# KiCad board PANEL_DRY_ELECTRODES.kicad_pcb (continued)
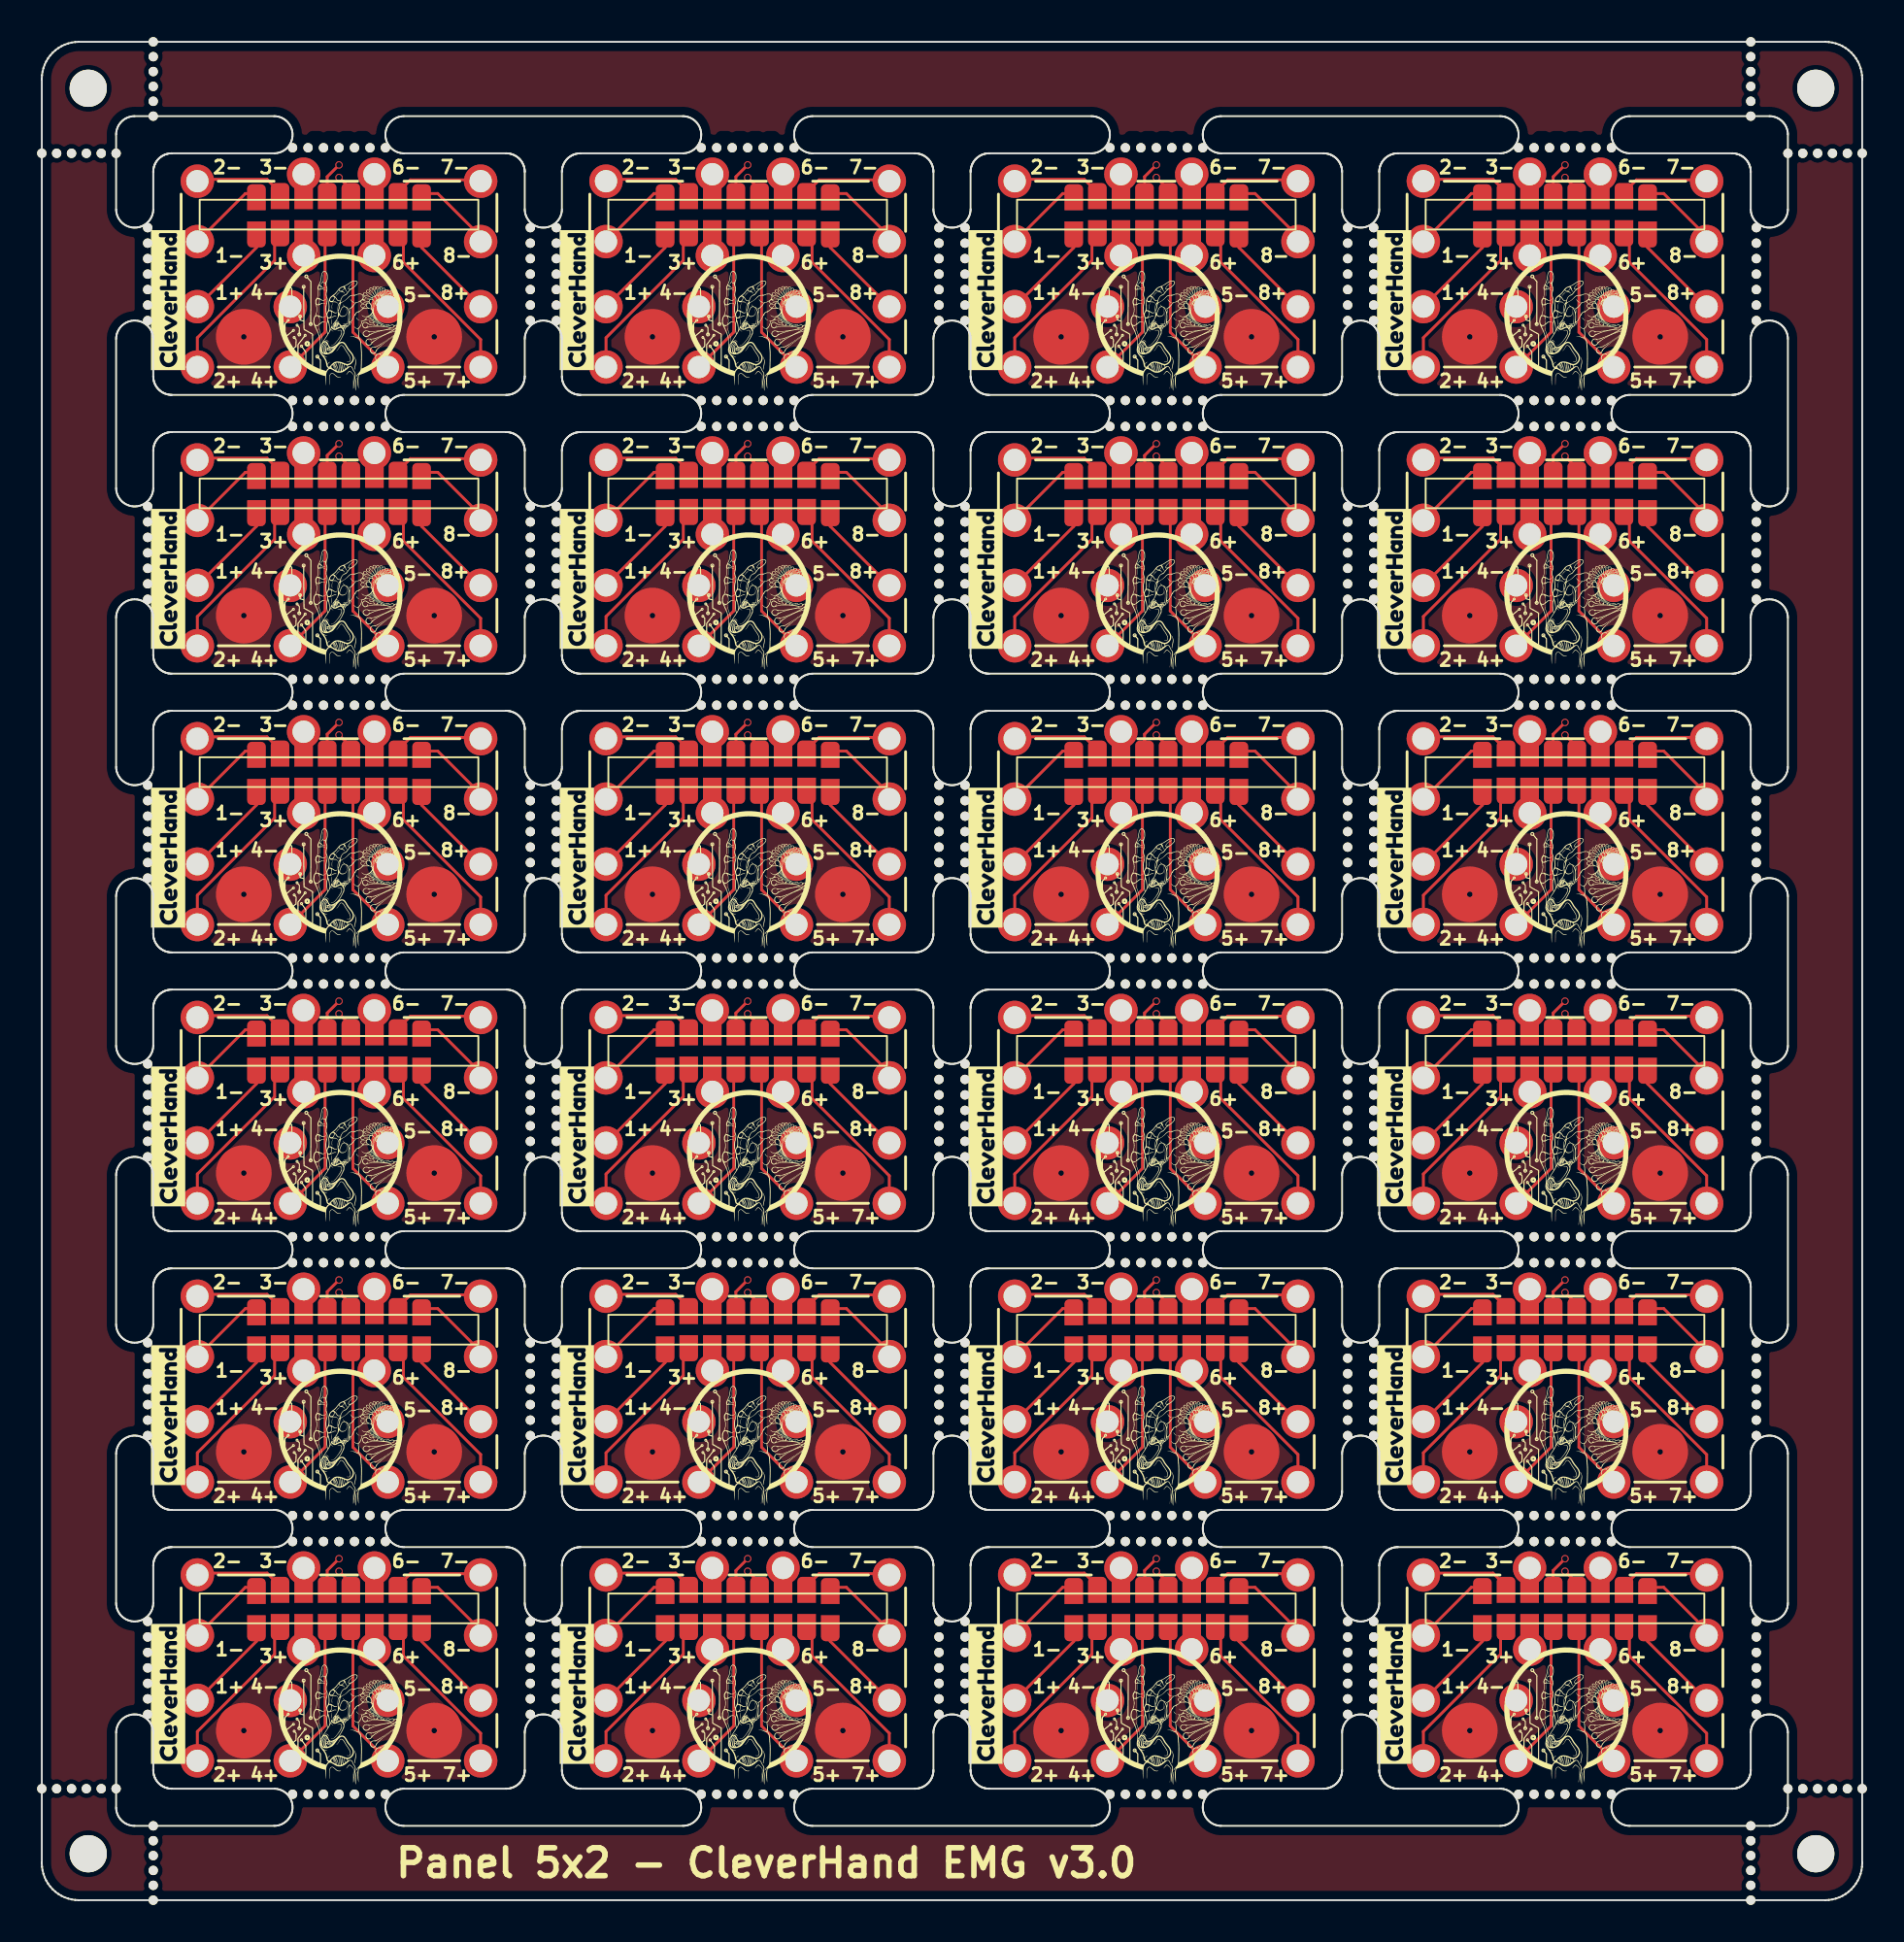
[diagram p0: board, top side]
## Placement (name value [footprint] x y rotation side) (continued)
KiKit_MB_67_3  -  [NPTH]  15.17 34.3 0 top
KiKit_MB_67_4  -  [NPTH]  16 34.3 0 top
KiKit_MB_67_5  -  [NPTH]  16.83 34.3 0 top
KiKit_MB_67_6  -  [NPTH]  17.67 34.3 0 top
KiKit_MB_67_7  -  [NPTH]  18.5 34.3 0 top
KiKit_MB_68_1  -  [NPTH]  18.5 20.7 0 top
KiKit_MB_68_2  -  [NPTH]  17.67 20.7 0 top
KiKit_MB_68_3  -  [NPTH]  16.83 20.7 0 top
KiKit_MB_68_4  -  [NPTH]  16 20.7 0 top
KiKit_MB_68_5  -  [NPTH]  15.17 20.7 0 top
KiKit_MB_68_6  -  [NPTH]  14.33 20.7 0 top
KiKit_MB_68_7  -  [NPTH]  13.5 20.7 0 top
KiKit_MB_69_1  -  [NPTH]  27.7 25 0 top
KiKit_MB_69_2  -  [NPTH]  27.7 25.83 0 top
KiKit_MB_69_3  -  [NPTH]  27.7 26.67 0 top
KiKit_MB_69_4  -  [NPTH]  27.7 27.5 0 top
KiKit_MB_69_5  -  [NPTH]  27.7 28.33 0 top
KiKit_MB_69_6  -  [NPTH]  27.7 29.17 0 top
KiKit_MB_69_7  -  [NPTH]  27.7 30 0 top
KiKit_MB_70_1  -  [NPTH]  48.3 30 0 top
KiKit_MB_70_2  -  [NPTH]  48.3 29.17 0 top
KiKit_MB_70_3  -  [NPTH]  48.3 28.33 0 top
KiKit_MB_70_4  -  [NPTH]  48.3 27.5 0 top
KiKit_MB_70_5  -  [NPTH]  48.3 26.67 0 top
KiKit_MB_70_6  -  [NPTH]  48.3 25.83 0 top
KiKit_MB_70_7  -  [NPTH]  48.3 25 0 top
KiKit_MB_71_1  -  [NPTH]  35.5 34.3 0 top
KiKit_MB_71_2  -  [NPTH]  36.33 34.3 0 top
KiKit_MB_71_3  -  [NPTH]  37.17 34.3 0 top
KiKit_MB_71_4  -  [NPTH]  38 34.3 0 top
KiKit_MB_71_5  -  [NPTH]  38.83 34.3 0 top
KiKit_MB_71_6  -  [NPTH]  39.67 34.3 0 top
KiKit_MB_71_7  -  [NPTH]  40.5 34.3 0 top
KiKit_MB_72_1  -  [NPTH]  40.5 20.7 0 top
KiKit_MB_72_2  -  [NPTH]  39.67 20.7 0 top
KiKit_MB_72_3  -  [NPTH]  38.83 20.7 0 top
KiKit_MB_72_4  -  [NPTH]  38 20.7 0 top
KiKit_MB_72_5  -  [NPTH]  37.17 20.7 0 top
KiKit_MB_72_6  -  [NPTH]  36.33 20.7 0 top
KiKit_MB_72_7  -  [NPTH]  35.5 20.7 0 top
KiKit_MB_73_1  -  [NPTH]  49.7 25 0 top
KiKit_MB_73_2  -  [NPTH]  49.7 25.83 0 top
KiKit_MB_73_3  -  [NPTH]  49.7 26.67 0 top
KiKit_MB_73_4  -  [NPTH]  49.7 27.5 0 top
KiKit_MB_73_5  -  [NPTH]  49.7 28.33 0 top
KiKit_MB_73_6  -  [NPTH]  49.7 29.17 0 top
KiKit_MB_73_7  -  [NPTH]  49.7 30 0 top
KiKit_MB_74_1  -  [NPTH]  70.3 30 0 top
KiKit_MB_74_2  -  [NPTH]  70.3 29.17 0 top
KiKit_MB_74_3  -  [NPTH]  70.3 28.33 0 top
KiKit_MB_74_4  -  [NPTH]  70.3 27.5 0 top
KiKit_MB_74_5  -  [NPTH]  70.3 26.67 0 top
KiKit_MB_74_6  -  [NPTH]  70.3 25.83 0 top
KiKit_MB_74_7  -  [NPTH]  70.3 25 0 top
KiKit_MB_75_1  -  [NPTH]  57.5 34.3 0 top
KiKit_MB_75_2  -  [NPTH]  58.33 34.3 0 top
KiKit_MB_75_3  -  [NPTH]  59.17 34.3 0 top
KiKit_MB_75_4  -  [NPTH]  60 34.3 0 top
KiKit_MB_75_5  -  [NPTH]  60.83 34.3 0 top
KiKit_MB_75_6  -  [NPTH]  61.67 34.3 0 top
KiKit_MB_75_7  -  [NPTH]  62.5 34.3 0 top
KiKit_MB_76_1  -  [NPTH]  62.5 20.7 0 top
KiKit_MB_76_2  -  [NPTH]  61.67 20.7 0 top
KiKit_MB_76_3  -  [NPTH]  60.83 20.7 0 top
KiKit_MB_76_4  -  [NPTH]  60 20.7 0 top
KiKit_MB_76_5  -  [NPTH]  59.17 20.7 0 top
KiKit_MB_76_6  -  [NPTH]  58.33 20.7 0 top
KiKit_MB_76_7  -  [NPTH]  57.5 20.7 0 top
KiKit_MB_77_1  -  [NPTH]  71.7 25 0 top
KiKit_MB_77_2  -  [NPTH]  71.7 25.83 0 top
KiKit_MB_77_3  -  [NPTH]  71.7 26.67 0 top
KiKit_MB_77_4  -  [NPTH]  71.7 27.5 0 top
KiKit_MB_77_5  -  [NPTH]  71.7 28.33 0 top
KiKit_MB_77_6  -  [NPTH]  71.7 29.17 0 top
KiKit_MB_77_7  -  [NPTH]  71.7 30 0 top
KiKit_MB_78_1  -  [NPTH]  92.3 30 0 top
KiKit_MB_78_2  -  [NPTH]  92.3 29.17 0 top
KiKit_MB_78_3  -  [NPTH]  92.3 28.33 0 top
KiKit_MB_78_4  -  [NPTH]  92.3 27.5 0 top
KiKit_MB_78_5  -  [NPTH]  92.3 26.67 0 top
KiKit_MB_78_6  -  [NPTH]  92.3 25.83 0 top
KiKit_MB_78_7  -  [NPTH]  92.3 25 0 top
KiKit_MB_79_1  -  [NPTH]  79.5 34.3 0 top
KiKit_MB_79_2  -  [NPTH]  80.33 34.3 0 top
KiKit_MB_79_3  -  [NPTH]  81.17 34.3 0 top
KiKit_MB_79_4  -  [NPTH]  82 34.3 0 top
KiKit_MB_79_5  -  [NPTH]  82.83 34.3 0 top
KiKit_MB_79_6  -  [NPTH]  83.67 34.3 0 top
KiKit_MB_79_7  -  [NPTH]  84.5 34.3 0 top
KiKit_MB_80_1  -  [NPTH]  84.5 20.7 0 top
KiKit_MB_80_2  -  [NPTH]  83.67 20.7 0 top
KiKit_MB_80_3  -  [NPTH]  82.83 20.7 0 top
KiKit_MB_80_4  -  [NPTH]  82 20.7 0 top
KiKit_MB_80_5  -  [NPTH]  81.17 20.7 0 top
KiKit_MB_80_6  -  [NPTH]  80.33 20.7 0 top
KiKit_MB_80_7  -  [NPTH]  79.5 20.7 0 top
KiKit_MB_81_1  -  [NPTH]  5.7 10 0 top
KiKit_MB_81_2  -  [NPTH]  5.7 10.83 0 top
KiKit_MB_81_3  -  [NPTH]  5.7 11.67 0 top
KiKit_MB_81_4  -  [NPTH]  5.7 12.5 0 top
KiKit_MB_81_5  -  [NPTH]  5.7 13.33 0 top
KiKit_MB_81_6  -  [NPTH]  5.7 14.17 0 top
KiKit_MB_81_7  -  [NPTH]  5.7 15 0 top
KiKit_MB_82_1  -  [NPTH]  26.3 15 0 top
KiKit_MB_82_2  -  [NPTH]  26.3 14.17 0 top
KiKit_MB_82_3  -  [NPTH]  26.3 13.33 0 top
KiKit_MB_82_4  -  [NPTH]  26.3 12.5 0 top
KiKit_MB_82_5  -  [NPTH]  26.3 11.67 0 top
KiKit_MB_82_6  -  [NPTH]  26.3 10.83 0 top
KiKit_MB_82_7  -  [NPTH]  26.3 10 0 top
KiKit_MB_83_1  -  [NPTH]  13.5 19.3 0 top
KiKit_MB_83_2  -  [NPTH]  14.33 19.3 0 top
KiKit_MB_83_3  -  [NPTH]  15.17 19.3 0 top
KiKit_MB_83_4  -  [NPTH]  16 19.3 0 top
KiKit_MB_83_5  -  [NPTH]  16.83 19.3 0 top
KiKit_MB_83_6  -  [NPTH]  17.67 19.3 0 top
KiKit_MB_83_7  -  [NPTH]  18.5 19.3 0 top
KiKit_MB_84_1  -  [NPTH]  18.5 5.7 0 top
KiKit_MB_84_2  -  [NPTH]  17.67 5.7 0 top
KiKit_MB_84_3  -  [NPTH]  16.83 5.7 0 top
KiKit_MB_84_4  -  [NPTH]  16 5.7 0 top
KiKit_MB_84_5  -  [NPTH]  15.17 5.7 0 top
KiKit_MB_84_6  -  [NPTH]  14.33 5.7 0 top
KiKit_MB_84_7  -  [NPTH]  13.5 5.7 0 top
KiKit_MB_85_1  -  [NPTH]  27.7 10 0 top
KiKit_MB_85_2  -  [NPTH]  27.7 10.83 0 top
KiKit_MB_85_3  -  [NPTH]  27.7 11.67 0 top
KiKit_MB_85_4  -  [NPTH]  27.7 12.5 0 top
KiKit_MB_85_5  -  [NPTH]  27.7 13.33 0 top
KiKit_MB_85_6  -  [NPTH]  27.7 14.17 0 top
KiKit_MB_85_7  -  [NPTH]  27.7 15 0 top
KiKit_MB_86_1  -  [NPTH]  48.3 15 0 top
KiKit_MB_86_2  -  [NPTH]  48.3 14.17 0 top
KiKit_MB_86_3  -  [NPTH]  48.3 13.33 0 top
KiKit_MB_86_4  -  [NPTH]  48.3 12.5 0 top
KiKit_MB_86_5  -  [NPTH]  48.3 11.67 0 top
KiKit_MB_86_6  -  [NPTH]  48.3 10.83 0 top
KiKit_MB_86_7  -  [NPTH]  48.3 10 0 top
KiKit_MB_87_1  -  [NPTH]  35.5 19.3 0 top
KiKit_MB_87_2  -  [NPTH]  36.33 19.3 0 top
KiKit_MB_87_3  -  [NPTH]  37.17 19.3 0 top
KiKit_MB_87_4  -  [NPTH]  38 19.3 0 top
KiKit_MB_87_5  -  [NPTH]  38.83 19.3 0 top
KiKit_MB_87_6  -  [NPTH]  39.67 19.3 0 top
KiKit_MB_87_7  -  [NPTH]  40.5 19.3 0 top
KiKit_MB_88_1  -  [NPTH]  40.5 5.7 0 top
KiKit_MB_88_2  -  [NPTH]  39.67 5.7 0 top
KiKit_MB_88_3  -  [NPTH]  38.83 5.7 0 top
KiKit_MB_88_4  -  [NPTH]  38 5.7 0 top
KiKit_MB_88_5  -  [NPTH]  37.17 5.7 0 top
KiKit_MB_88_6  -  [NPTH]  36.33 5.7 0 top
KiKit_MB_88_7  -  [NPTH]  35.5 5.7 0 top
KiKit_MB_89_1  -  [NPTH]  49.7 10 0 top
KiKit_MB_89_2  -  [NPTH]  49.7 10.83 0 top
KiKit_MB_89_3  -  [NPTH]  49.7 11.67 0 top
KiKit_MB_89_4  -  [NPTH]  49.7 12.5 0 top
KiKit_MB_89_5  -  [NPTH]  49.7 13.33 0 top
KiKit_MB_89_6  -  [NPTH]  49.7 14.17 0 top
KiKit_MB_89_7  -  [NPTH]  49.7 15 0 top
KiKit_MB_90_1  -  [NPTH]  70.3 15 0 top
KiKit_MB_90_2  -  [NPTH]  70.3 14.17 0 top
KiKit_MB_90_3  -  [NPTH]  70.3 13.33 0 top
KiKit_MB_90_4  -  [NPTH]  70.3 12.5 0 top
KiKit_MB_90_5  -  [NPTH]  70.3 11.67 0 top
KiKit_MB_90_6  -  [NPTH]  70.3 10.83 0 top
KiKit_MB_90_7  -  [NPTH]  70.3 10 0 top
KiKit_MB_91_1  -  [NPTH]  57.5 19.3 0 top
KiKit_MB_91_2  -  [NPTH]  58.33 19.3 0 top
KiKit_MB_91_3  -  [NPTH]  59.17 19.3 0 top
KiKit_MB_91_4  -  [NPTH]  60 19.3 0 top
KiKit_MB_91_5  -  [NPTH]  60.83 19.3 0 top
KiKit_MB_91_6  -  [NPTH]  61.67 19.3 0 top
KiKit_MB_91_7  -  [NPTH]  62.5 19.3 0 top
KiKit_MB_92_1  -  [NPTH]  62.5 5.7 0 top
KiKit_MB_92_2  -  [NPTH]  61.67 5.7 0 top
KiKit_MB_92_3  -  [NPTH]  60.83 5.7 0 top
KiKit_MB_92_4  -  [NPTH]  60 5.7 0 top
KiKit_MB_92_5  -  [NPTH]  59.17 5.7 0 top
KiKit_MB_92_6  -  [NPTH]  58.33 5.7 0 top
KiKit_MB_92_7  -  [NPTH]  57.5 5.7 0 top
KiKit_MB_93_1  -  [NPTH]  71.7 10 0 top
KiKit_MB_93_2  -  [NPTH]  71.7 10.83 0 top
KiKit_MB_93_3  -  [NPTH]  71.7 11.67 0 top
KiKit_MB_93_4  -  [NPTH]  71.7 12.5 0 top
KiKit_MB_93_5  -  [NPTH]  71.7 13.33 0 top
KiKit_MB_93_6  -  [NPTH]  71.7 14.17 0 top
KiKit_MB_93_7  -  [NPTH]  71.7 15 0 top
KiKit_MB_94_1  -  [NPTH]  92.3 15 0 top
KiKit_MB_94_2  -  [NPTH]  92.3 14.17 0 top
KiKit_MB_94_3  -  [NPTH]  92.3 13.33 0 top
KiKit_MB_94_4  -  [NPTH]  92.3 12.5 0 top
KiKit_MB_94_5  -  [NPTH]  92.3 11.67 0 top
KiKit_MB_94_6  -  [NPTH]  92.3 10.83 0 top
KiKit_MB_94_7  -  [NPTH]  92.3 10 0 top
KiKit_MB_95_1  -  [NPTH]  79.5 19.3 0 top
KiKit_MB_95_2  -  [NPTH]  80.33 19.3 0 top
KiKit_MB_95_3  -  [NPTH]  81.17 19.3 0 top
KiKit_MB_95_4  -  [NPTH]  82 19.3 0 top
KiKit_MB_95_5  -  [NPTH]  82.83 19.3 0 top
KiKit_MB_95_6  -  [NPTH]  83.67 19.3 0 top
KiKit_MB_95_7  -  [NPTH]  84.5 19.3 0 top
KiKit_MB_96_1  -  [NPTH]  84.5 5.7 0 top
KiKit_MB_96_2  -  [NPTH]  83.67 5.7 0 top
KiKit_MB_96_3  -  [NPTH]  82.83 5.7 0 top
KiKit_MB_96_4  -  [NPTH]  82 5.7 0 top
KiKit_MB_96_5  -  [NPTH]  81.17 5.7 0 top
KiKit_MB_96_6  -  [NPTH]  80.33 5.7 0 top
KiKit_MB_96_7  -  [NPTH]  79.5 5.7 0 top
KiKit_MB_97_1  -  [NPTH]  6 100 0 top
KiKit_MB_97_2  -  [NPTH]  6 99.2 0 top
KiKit_MB_97_3  -  [NPTH]  6 98.4 0 top
KiKit_MB_97_4  -  [NPTH]  6 97.6 0 top
KiKit_MB_97_5  -  [NPTH]  6 96.8 0 top
KiKit_MB_97_6  -  [NPTH]  6 96 0 top
KiKit_MB_98_1  -  [NPTH]  92 100 0 top
KiKit_MB_98_2  -  [NPTH]  92 99.2 0 top
KiKit_MB_98_3  -  [NPTH]  92 98.4 0 top
KiKit_MB_98_4  -  [NPTH]  92 97.6 0 top
KiKit_MB_98_5  -  [NPTH]  92 96.8 0 top
KiKit_MB_98_6  -  [NPTH]  92 96 0 top
KiKit_MB_99_1  -  [NPTH]  6 4 0 top
KiKit_MB_99_2  -  [NPTH]  6 3.2 0 top
KiKit_MB_99_3  -  [NPTH]  6 2.4 0 top
KiKit_MB_99_4  -  [NPTH]  6 1.6 0 top
KiKit_MB_99_5  -  [NPTH]  6 0.8 0 top
KiKit_MB_99_6  -  [NPTH]  6 0 0 top
KiKit_MB_100_1  -  [NPTH]  92 4 0 top
KiKit_MB_100_2  -  [NPTH]  92 3.2 0 top
KiKit_MB_100_3  -  [NPTH]  92 2.4 0 top
KiKit_MB_100_4  -  [NPTH]  92 1.6 0 top
KiKit_MB_100_5  -  [NPTH]  92 0.8 0 top
KiKit_MB_100_6  -  [NPTH]  92 0 0 top
KiKit_MB_101_1  -  [NPTH]  0 94 0 top
KiKit_MB_101_2  -  [NPTH]  0.8 94 0 top
KiKit_MB_101_3  -  [NPTH]  1.6 94 0 top
KiKit_MB_101_4  -  [NPTH]  2.4 94 0 top
KiKit_MB_101_5  -  [NPTH]  3.2 94 0 top
KiKit_MB_101_6  -  [NPTH]  4 94 0 top
KiKit_MB_102_1  -  [NPTH]  0 6 0 top
KiKit_MB_102_2  -  [NPTH]  0.8 6 0 top
KiKit_MB_102_3  -  [NPTH]  1.6 6 0 top
KiKit_MB_102_4  -  [NPTH]  2.4 6 0 top
KiKit_MB_102_5  -  [NPTH]  3.2 6 0 top
KiKit_MB_102_6  -  [NPTH]  4 6 0 top
KiKit_MB_103_1  -  [NPTH]  94 94 0 top
KiKit_MB_103_2  -  [NPTH]  94.8 94 0 top
KiKit_MB_103_3  -  [NPTH]  95.6 94 0 top
KiKit_MB_103_4  -  [NPTH]  96.4 94 0 top
KiKit_MB_103_5  -  [NPTH]  97.2 94 0 top
KiKit_MB_103_6  -  [NPTH]  98 94 0 top
KiKit_MB_104_1  -  [NPTH]  94 6 0 top
KiKit_MB_104_2  -  [NPTH]  94.8 6 0 top
KiKit_MB_104_3  -  [NPTH]  95.6 6 0 top
KiKit_MB_104_4  -  [NPTH]  96.4 6 0 top
KiKit_MB_104_5  -  [NPTH]  97.2 6 0 top
KiKit_MB_104_6  -  [NPTH]  98 6 0 top
KiKit_TO_1  -  [NPTH#2]  2.5 97.5 0 top
KiKit_TO_2  -  [NPTH#2]  95.5 97.5 0 top
KiKit_TO_3  -  [NPTH#2]  2.5 2.5 0 top
KiKit_TO_4  -  [NPTH#2]  95.5 2.5 0 top
REF**  -  [logo_aightech]  82.1 40.1 0 top
REF**#2  -  [logo_aightech]  16.1 70.1 0 top
REF**#3  -  [logo_aightech]  60.1 10.1 0 top
REF**#4  -  [logo_aightech]  82.1 55.1 0 top
REF**#5  -  [logo_aightech]  60.1 55.1 0 top
REF**#6  -  [logo_aightech]  16.1 25.1 0 top
REF**#7  -  [logo_aightech]  60.1 40.1 0 top
REF**#8  -  [logo_aightech]  38.1 70.1 0 top
REF**#9  -  [logo_aightech]  82.1 85.1 0 top
REF**#10  -  [logo_aightech]  60.1 85.1 0 top
REF**#11  -  [logo_aightech]  60.1 70.1 0 top
REF**#12  -  [logo_aightech]  82.1 25.1 0 top
REF**#13  -  [logo_aightech]  38.1 85.1 0 top
REF**#14  -  [logo_aightech]  38.1 55.1 0 top
REF**#15  -  [logo_aightech]  82.1 70.1 0 top
REF**#16  -  [logo_aightech]  60.1 25.1 0 top
REF**#17  -  [logo_aightech]  38.1 40.1 0 top
REF**#18  -  [logo_aightech]  82.1 10.1 0 top
REF**#19  -  [logo_aightech]  16.1 10.1 0 top
REF**#20  -  [logo_aightech]  16.1 85.1 0 top
REF**#21  -  [logo_aightech]  38.1 10.1 0 top
REF**#22  -  [logo_aightech]  16.1 40.1 0 top
REF**#23  -  [logo_aightech]  16.1 55.1 0 top
REF**#24  -  [logo_aightech]  38.1 25.1 0 top

## Library data of the parts
J17 J17#2-J17#24 J18 J18#2-J18#24 J19 J19#2-J19#24 J20 J20#2-J20#24 J21 J21#2-J21#24 J22 J22#2-J22#24 J23 J23#2-J23#24 J24 J24#2-J24#24 J25 J25#2-J25#24 J26 J26#2-J26#24 J27 J27#2-J27#24 J28 J28#2-J28#24 J29 J29#2-J29#24 J30 J30#2-J30#24 J31 J31#2-J31#24 J32 J32#2-J32#24 = -: Description: Generic connector, single row, 01x01, script generated

## Footprints (pads in the part's own frame, mm; a bottom-side part is the same pattern mirrored in y, then rotated)
insert_1.2mm
  round 3 smd: 1(0,0)
NPTH
  round 0.5 hole 0.5 unplated: (0,0)
NPTH#2
  round 2 hole 2 unplated: (0,0)
Pin_D1.2mm_pogo
  round 1.8 hole 1.2: 1(0,0)
SolderWirePad_1x01_SMD_1x2mm
  custom 1x1.4 smd: 1(0,0.5)

## Nets
Board_0-/in1+: J9#21.1 J25#10.1
Board_0-/in1-: J1#22.1 J17#6.1
Board_0-/in2+: J10.1 J26.1
Board_0-/in2-: J2#11.1 J18.1
Board_0-/in3+: J11#11.1 J27#10.1
Board_0-/in3-: J3#9.1 J19#14.1
Board_0-/in4+: J12#15.1 J28.1
Board_0-/in4-: J4#6.1 J20#8.1
Board_0-/in5+: J13#23.1 J29#9.1
Board_0-/in5-: J5#23.1 J21#20.1
Board_0-/in6+: J14#8.1 J30#23.1
Board_0-/in6-: J6#11.1 J22#8.1
Board_0-/in7+: J15#10.1 J31#2.1
Board_0-/in7-: J7#3.1 J23#11.1
Board_0-/in8+: J16#2.1 J32#18.1
Board_0-/in8-: J8#19.1 J24#5.1
Board_0-GND: I3#15.1 I4#2.1
Board_1-/in1+: J9#24.1 J25#3.1
Board_1-/in1-: J1#13.1 J17#24.1
Board_1-/in2+: J10#21.1 J26#16.1
Board_1-/in2-: J2#8.1 J18#24.1
Board_1-/in3+: J11#21.1 J27#3.1
Board_1-/in3-: J3#23.1 J19#17.1
Board_1-/in4+: J12#10.1 J28#2.1
Board_1-/in4-: J4#12.1 J20#20.1
Board_1-/in5+: J13#17.1 J29#15.1
Board_1-/in5-: J5#16.1 J21#21.1
Board_1-/in6+: J14#10.1 J30#5.1
Board_1-/in6-: J6.1 J22#5.1
Board_1-/in7+: J15#17.1 J31#18.1
Board_1-/in7-: J7#21.1 J23#21.1
Board_1-/in8+: J16#15.1 J32#4.1
Board_1-/in8-: J8#5.1 J24#4.1
Board_1-GND: I3#3.1 I4#13.1
Board_2-/in1+: J9#13.1 J25#4.1
Board_2-/in1-: J1#10.1 J17#12.1
Board_2-/in2+: J10#18.1 J26#20.1
Board_2-/in2-: J2#24.1 J18#8.1
Board_2-/in3+: J11#16.1 J27#6.1
Board_2-/in3-: J3#3.1 J19#3.1
Board_2-/in4+: J12#19.1 J28#13.1
Board_2-/in4-: J4#2.1 J20#23.1
Board_2-/in5+: J13#12.1 J29#22.1
Board_2-/in5-: J5#19.1 J21#8.1
Board_2-/in6+: J14#17.1 J30#3.1
Board_2-/in6-: J6#4.1 J22.1
Board_2-/in7+: J15#7.1 J31#8.1
Board_2-/in7-: J7#22.1 J23#17.1
Board_2-/in8+: J16#3.1 J32#17.1
Board_2-/in8-: J8#6.1 J24#14.1
Board_2-GND: I3#16.1 I4#10.1
Board_3-/in1+: J9.1 J25#21.1
Board_3-/in1-: J1#6.1 J17#5.1
Board_3-/in2+: J10#2.1 J26#3.1
Board_3-/in2-: J2#23.1 J18#7.1
Board_3-/in3+: J11#6.1 J27#5.1
Board_3-/in3-: J3#21.1 J19#6.1
Board_3-/in4+: J12#5.1 J28#9.1
Board_3-/in4-: J4#24.1 J20#13.1
Board_3-/in5+: J13#5.1 J29#8.1
Board_3-/in5-: J5#14.1 J21#18.1
Board_3-/in6+: J14.1 J30#20.1
Board_3-/in6-: J6#13.1 J22#15.1
Board_3-/in7+: J15#9.1 J31#7.1
Board_3-/in7-: J7#12.1 J23#5.1
Board_3-/in8+: J16#11.1 J32#13.1
Board_3-/in8-: J8#24.1 J24#6.1
Board_3-GND: I3.1 I4#17.1
Board_4-/in1+: J9#7.1 J25#7.1
Board_4-/in1-: J1#18.1 J17#15.1
Board_4-/in2+: J10#8.1 J26#12.1
Board_4-/in2-: J2#20.1 J18#13.1
Board_4-/in3+: J11#24.1 J27#18.1
Board_4-/in3-: J3#19.1 J19#19.1
Board_4-/in4+: J12#12.1 J28#3.1
Board_4-/in4-: J4#8.1 J20#2.1
Board_4-/in5+: J13#22.1 J29#19.1
Board_4-/in5-: J5#7.1 J21#2.1
Board_4-/in6+: J14#15.1 J30#16.1
Board_4-/in6-: J6#14.1 J22#2.1
Board_4-/in7+: J15#21.1 J31#24.1
Board_4-/in7-: J7#15.1 J23#20.1
Board_4-/in8+: J16.1 J32.1
Board_4-/in8-: J8#2.1 J24#17.1
Board_4-GND: I3#6.1 I4#8.1
Board_5-/in1+: J9#11.1 J25#18.1
Board_5-/in1-: J1#9.1 J17.1
Board_5-/in2+: J10#23.1 J26#5.1
Board_5-/in2-: J2#13.1 J18#11.1
Board_5-/in3+: J11#22.1 J27#17.1
Board_5-/in3-: J3#2.1 J19#13.1
Board_5-/in4+: J12#20.1 J28#4.1
Board_5-/in4-: J4#20.1 J20#18.1
Board_5-/in5+: J13#18.1 J29#21.1
Board_5-/in5-: J5#24.1 J21#15.1
Board_5-/in6+: J14#21.1 J30#18.1
Board_5-/in6-: J6#18.1 J22#9.1
Board_5-/in7+: J15#24.1 J31#13.1
Board_5-/in7-: J7#14.1 J23#22.1
Board_5-/in8+: J16#10.1 J32#8.1
Board_5-/in8-: J8#15.1 J24#15.1
Board_5-GND: I3#8.1 I4#22.1
Board_6-/in1+: J9#23.1 J25#20.1
Board_6-/in1-: J1#24.1 J17#3.1
Board_6-/in2+: J10#4.1 J26#11.1
Board_6-/in2-: J2#2.1 J18#6.1
Board_6-/in3+: J11#23.1 J27#22.1
Board_6-/in3-: J3#22.1 J19#16.1
Board_6-/in4+: J12#8.1 J28#7.1
Board_6-/in4-: J4#10.1 J20.1
Board_6-/in5+: J13#16.1 J29#24.1
Board_6-/in5-: J5#22.1 J21#10.1
Board_6-/in6+: J14#5.1 J30#22.1
Board_6-/in6-: J6#5.1 J22#7.1
Board_6-/in7+: J15#15.1 J31#6.1
Board_6-/in7-: J7#17.1 J23#10.1
Board_6-/in8+: J16#13.1 J32#24.1
Board_6-/in8-: J8#21.1 J24#8.1
Board_6-GND: I3#22.1 I4#19.1
Board_7-/in1+: J9#22.1 J25#13.1
Board_7-/in1-: J1#11.1 J17#2.1
Board_7-/in2+: J10#24.1 J26#6.1
Board_7-/in2-: J2#7.1 J18#16.1
Board_7-/in3+: J11#20.1 J27#4.1
Board_7-/in3-: J3#17.1 J19#23.1
Board_7-/in4+: J12#3.1 J28#5.1
Board_7-/in4-: J4#21.1 J20#9.1
Board_7-/in5+: J13#4.1 J29#11.1
Board_7-/in5-: J5#13.1 J21#11.1
Board_7-/in6+: J14#14.1 J30#15.1
Board_7-/in6-: J6#6.1 J22#24.1
Board_7-/in7+: J15#16.1 J31#20.1
Board_7-/in7-: J7#18.1 J23#19.1
Board_7-/in8+: J16#17.1 J32#21.1
Board_7-/in8-: J8#12.1 J24#13.1
Board_7-GND: I3#18.1 I4#23.1
Board_8-/in1+: J9#19.1 J25#24.1
Board_8-/in1-: J1#21.1 J17#16.1
Board_8-/in2+: J10#14.1 J26#7.1
Board_8-/in2-: J2#21.1 J18#10.1
Board_8-/in3+: J11#18.1 J27#8.1
Board_8-/in3-: J3#11.1 J19#9.1
Board_8-/in4+: J12#22.1 J28#20.1
Board_8-/in4-: J4#23.1 J20#17.1
Board_8-/in5+: J13#24.1 J29#6.1
Board_8-/in5-: J5#18.1 J21#24.1
Board_8-/in6+: J14#24.1 J30#24.1
Board_8-/in6-: J6#12.1 J22#14.1
Board_8-/in7+: J15#5.1 J31#12.1
Board_8-/in7-: J7#5.1 J23#7.1
Board_8-/in8+: J16#12.1 J32#12.1
Board_8-/in8-: J8#13.1 J24.1
Board_8-GND: I3#19.1 I4#3.1
Board_9-/in1+: J9#5.1 J25#11.1
Board_9-/in1-: J1#5.1 J17#7.1
Board_9-/in2+: J10#5.1 J26#21.1
Board_9-/in2-: J2#22.1 J18#21.1
Board_9-/in3+: J11#15.1 J27#16.1
Board_9-/in3-: J3#15.1 J19#24.1
Board_9-/in4+: J12#14.1 J28#16.1
Board_9-/in4-: J4#19.1 J20#3.1
Board_9-/in5+: J13#3.1 J29#12.1
Board_9-/in5-: J5#10.1 J21#22.1
Board_9-/in6+: J14#22.1 J30#4.1
Board_9-/in6-: J6#7.1 J22#6.1
Board_9-/in7+: J15#11.1 J31#23.1
Board_9-/in7-: J7#13.1 J23#16.1
Board_9-/in8+: J16#24.1 J32#3.1
Board_9-/in8-: J8#3.1 J24#18.1
Board_9-GND: I3#7.1 I4#14.1
Board_10-/in1+: J9#15.1 J25#5.1
Board_10-/in1-: J1.1 J17#21.1
Board_10-/in2+: J10#15.1 J26#24.1
Board_10-/in2-: J2#12.1 J18#9.1
Board_10-/in3+: J11#12.1 J27#11.1
Board_10-/in3-: J3#8.1 J19.1
Board_10-/in4+: J12#24.1 J28#17.1
Board_10-/in4-: J4.1 J20#5.1
Board_10-/in5+: J13#11.1 J29#18.1
Board_10-/in5-: J5#8.1 J21#4.1
Board_10-/in6+: J14#13.1 J30#14.1
Board_10-/in6-: J6#23.1 J22#18.1
Board_10-/in7+: J15#23.1 J31#10.1
Board_10-/in7-: J7#8.1 J23#6.1
Board_10-/in8+: J16#21.1 J32#22.1
Board_10-/in8-: J8#20.1 J24#10.1
Board_10-GND: I3#12.1 I4#21.1
Board_11-/in1+: J9#14.1 J25#22.1
Board_11-/in1-: J1#7.1 J17#8.1
Board_11-/in2+: J10#10.1 J26#8.1
Board_11-/in2-: J2#3.1 J18#20.1
Board_11-/in3+: J11#10.1 J27#9.1
Board_11-/in3-: J3#7.1 J19#15.1
Board_11-/in4+: J12#9.1 J28#18.1
Board_11-/in4-: J4#9.1 J20#10.1
Board_11-/in5+: J13#20.1 J29#17.1
Board_11-/in5-: J5#11.1 J21#12.1
Board_11-/in6+: J14#12.1 J30#2.1
Board_11-/in6-: J6#9.1 J22#22.1
Board_11-/in7+: J15#3.1 J31#21.1
Board_11-/in7-: J7.1 J23#13.1
Board_11-/in8+: J16#22.1 J32#14.1
Board_11-/in8-: J8#4.1 J24#16.1
Board_11-GND: I3#17.1 I4#4.1
Board_12-/in1+: J9#2.1 J25#2.1
Board_12-/in1-: J1#12.1 J17#17.1
Board_12-/in2+: J10#11.1 J26#4.1
Board_12-/in2-: J2#17.1 J18#15.1
Board_12-/in3+: J11#17.1 J27#7.1
Board_12-/in3-: J3#5.1 J19#12.1
Board_12-/in4+: J12#2.1 J28#14.1
Board_12-/in4-: J4#7.1 J20#15.1
Board_12-/in5+: J13#8.1 J29#4.1
Board_12-/in5-: J5#3.1 J21#6.1
Board_12-/in6+: J14#23.1 J30#7.1
Board_12-/in6-: J6#16.1 J22#19.1
Board_12-/in7+: J15#6.1 J31#5.1
Board_12-/in7-: J7#19.1 J23.1
Board_12-/in8+: J16#16.1 J32#9.1
Board_12-/in8-: J8#23.1 J24#11.1
Board_12-GND: I3#9.1 I4#6.1
Board_13-/in1+: J9#9.1 J25#15.1
Board_13-/in1-: J1#3.1 J17#14.1
Board_13-/in2+: J10#20.1 J26#2.1
Board_13-/in2-: J2#4.1 J18#19.1
Board_13-/in3+: J11#8.1 J27#2.1
Board_13-/in3-: J3#13.1 J19#21.1
Board_13-/in4+: J12.1 J28#15.1
Board_13-/in4-: J4#22.1 J20#21.1
Board_13-/in5+: J13#9.1 J29#16.1
Board_13-/in5-: J5#9.1 J21#16.1
Board_13-/in6+: J14#11.1 J30#13.1
Board_13-/in6-: J6#10.1 J22#3.1
Board_13-/in7+: J15#14.1 J31#3.1
Board_13-/in7-: J7#2.1 J23#23.1
Board_13-/in8+: J16#18.1 J32#6.1
Board_13-/in8-: J8#14.1 J24#3.1
Board_13-GND: I3#5.1 I4#9.1
Board_14-/in1+: J9#4.1 J25#6.1
Board_14-/in1-: J1#19.1 J17#18.1
Board_14-/in2+: J10#16.1 J26#9.1
Board_14-/in2-: J2#9.1 J18#5.1
Board_14-/in3+: J11#4.1 J27#23.1
Board_14-/in3-: J3#20.1 J19#10.1
Board_14-/in4+: J12#17.1 J28#22.1
Board_14-/in4-: J4#3.1 J20#19.1
Board_14-/in5+: J13#13.1 J29#14.1
Board_14-/in5-: J5#20.1 J21#19.1
Board_14-/in6+: J14#7.1 J30#6.1
Board_14-/in6-: J6#24.1 J22#12.1
Board_14-/in7+: J15#2.1 J31.1
Board_14-/in7-: J7#10.1 J23#14.1
Board_14-/in8+: J16#23.1 J32#10.1
Board_14-/in8-: J8#17.1 J24#12.1
Board_14-GND: I3#2.1 I4#5.1
Board_15-/in1+: J9#16.1 J25#19.1
Board_15-/in1-: J1#8.1 J17#9.1
Board_15-/in2+: J10#12.1 J26#23.1
Board_15-/in2-: J2#16.1 J18#23.1
Board_15-/in3+: J11#13.1 J27#20.1
Board_15-/in3-: J3#16.1 J19#4.1
Board_15-/in4+: J12#23.1 J28#23.1
Board_15-/in4-: J4#13.1 J20#7.1
Board_15-/in5+: J13#7.1 J29#7.1
Board_15-/in5-: J5#12.1 J21#5.1
Board_15-/in6+: J14#4.1 J30#11.1
Board_15-/in6-: J6#2.1 J22#16.1
Board_15-/in7+: J15#22.1 J31#14.1
Board_15-/in7-: J7#23.1 J23#9.1
Board_15-/in8+: J16#9.1 J32#5.1
Board_15-/in8-: J8#8.1 J24#24.1
Board_15-GND: I3#21.1 I4#24.1
Board_16-/in1+: J9#17.1 J25#16.1
Board_16-/in1-: J1#17.1 J17#10.1
Board_16-/in2+: J10#19.1 J26#22.1
Board_16-/in2-: J2#14.1 J18#3.1
Board_16-/in3+: J11#9.1 J27#12.1
Board_16-/in3-: J3#12.1 J19#2.1
Board_16-/in4+: J12#13.1 J28#21.1
Board_16-/in4-: J4#15.1 J20#24.1
Board_16-/in5+: J13#14.1 J29#10.1
Board_16-/in5-: J5#4.1 J21#3.1
Board_16-/in6+: J14#9.1 J30#19.1
Board_16-/in6-: J6#22.1 J22#20.1
Board_16-/in7+: J15#8.1 J31#16.1
Board_16-/in7-: J7#16.1 J23#12.1
Board_16-/in8+: J16#8.1 J32#23.1
Board_16-/in8-: J8#11.1 J24#20.1
Board_16-GND: I3#10.1 I4#18.1
Board_17-/in1+: J9#20.1 J25#9.1
Board_17-/in1-: J1#16.1 J17#13.1
Board_17-/in2+: J10#3.1 J26#17.1
Board_17-/in2-: J2.1 J18#4.1
Board_17-/in3+: J11#5.1 J27#15.1
Board_17-/in3-: J3#18.1 J19#11.1
Board_17-/in4+: J12#6.1 J28#24.1
Board_17-/in4-: J4#18.1 J20#4.1
Board_17-/in5+: J13.1 J29#3.1
Board_17-/in5-: J5#5.1 J21#13.1
Board_17-/in6+: J14#19.1 J30#8.1
Board_17-/in6-: J6#17.1 J22#11.1
Board_17-/in7+: J15.1 J31#22.1
Board_17-/in7-: J7#4.1 J23#8.1
Board_17-/in8+: J16#20.1 J32#19.1
Board_17-/in8-: J8#16.1 J24#22.1
Board_17-GND: I3#4.1 I4#12.1
Board_18-/in1+: J9#3.1 J25.1
Board_18-/in1-: J1#20.1 J17#23.1
Board_18-/in2+: J10#9.1 J26#13.1
Board_18-/in2-: J2#5.1 J18#14.1
Board_18-/in3+: J11#7.1 J27#13.1
Board_18-/in3-: J3.1 J19#18.1
Board_18-/in4+: J12#7.1 J28#12.1
Board_18-/in4-: J4#4.1 J20#12.1
Board_18-/in5+: J13#2.1 J29.1
Board_18-/in5-: J5#15.1 J21#23.1
Board_18-/in6+: J14#18.1 J30#21.1
Board_18-/in6-: J6#19.1 J22#17.1
Board_18-/in7+: J15#12.1 J31#11.1
Board_18-/in7-: J7#6.1 J23#3.1
Board_18-/in8+: J16#14.1 J32#20.1
Board_18-/in8-: J8#7.1 J24#19.1
Board_18-GND: I3#20.1 I4#11.1
Board_19-/in1+: J9#18.1 J25#12.1
Board_19-/in1-: J1#23.1 J17#11.1
Board_19-/in2+: J10#7.1 J26#18.1
Board_19-/in2-: J2#10.1 J18#18.1
Board_19-/in3+: J11#3.1 J27.1
Board_19-/in3-: J3#10.1 J19#20.1
Board_19-/in4+: J12#18.1 J28#10.1
Board_19-/in4-: J4#17.1 J20#14.1
Board_19-/in5+: J13#21.1 J29#5.1
Board_19-/in5-: J5#17.1 J21#14.1
Board_19-/in6+: J14#3.1 J30#17.1
Board_19-/in6-: J6#3.1 J22#13.1
Board_19-/in7+: J15#4.1 J31#4.1
Board_19-/in7-: J7#20.1 J23#15.1
Board_19-/in8+: J16#4.1 J32#15.1
Board_19-/in8-: J8#18.1 J24#21.1
Board_19-GND: I3#11.1 I4#16.1
Board_20-/in1+: J9#12.1 J25#8.1
Board_20-/in1-: J1#14.1 J17#22.1
Board_20-/in2+: J10#13.1 J26#10.1
Board_20-/in2-: J2#6.1 J18#17.1
Board_20-/in3+: J11#19.1 J27#14.1
Board_20-/in3-: J3#4.1 J19#7.1
Board_20-/in4+: J12#16.1 J28#6.1
Board_20-/in4-: J4#11.1 J20#11.1
Board_20-/in5+: J13#19.1 J29#13.1
Board_20-/in5-: J5.1 J21#7.1
Board_20-/in6+: J14#16.1 J30#9.1
Board_20-/in6-: J6#15.1 J22#23.1
Board_20-/in7+: J15#20.1 J31#17.1
Board_20-/in7-: J7#24.1 J23#2.1
Board_20-/in8+: J16#19.1 J32#11.1
Board_20-/in8-: J8#10.1 J24#23.1
Board_20-GND: I3#24.1 I4#7.1
Board_21-/in1+: J9#6.1 J25#17.1
Board_21-/in1-: J1#2.1 J17#19.1
Board_21-/in2+: J10#22.1 J26#14.1
Board_21-/in2-: J2#19.1 J18#22.1
Board_21-/in3+: J11.1 J27#21.1
Board_21-/in3-: J3#24.1 J19#8.1
Board_21-/in4+: J12#4.1 J28#19.1
Board_21-/in4-: J4#5.1 J20#6.1
Board_21-/in5+: J13#10.1 J29#23.1
Board_21-/in5-: J5#6.1 J21.1
Board_21-/in6+: J14#2.1 J30#10.1
Board_21-/in6-: J6#8.1 J22#21.1
Board_21-/in7+: J15#13.1 J31#19.1
Board_21-/in7-: J7#7.1 J23#18.1
Board_21-/in8+: J16#5.1 J32#2.1
Board_21-/in8-: J8#9.1 J24#9.1
Board_21-GND: I3#23.1 I4#20.1
Board_22-/in1+: J9#10.1 J25#23.1
Board_22-/in1-: J1#15.1 J17#4.1
Board_22-/in2+: J10#17.1 J26#19.1
Board_22-/in2-: J2#18.1 J18#12.1
Board_22-/in3+: J11#2.1 J27#19.1
Board_22-/in3-: J3#14.1 J19#22.1
Board_22-/in4+: J12#11.1 J28#11.1
Board_22-/in4-: J4#14.1 J20#22.1
Board_22-/in5+: J13#6.1 J29#2.1
Board_22-/in5-: J5#21.1 J21#17.1
Board_22-/in6+: J14#20.1 J30.1
Board_22-/in6-: J6#21.1 J22#4.1
Board_22-/in7+: J15#18.1 J31#9.1
Board_22-/in7-: J7#11.1 J23#24.1
Board_22-/in8+: J16#6.1 J32#16.1
Board_22-/in8-: J8#22.1 J24#7.1
